# Altium PCB EVK-IRIS-W1.PcbDoc (part 1 of 9) (continued)
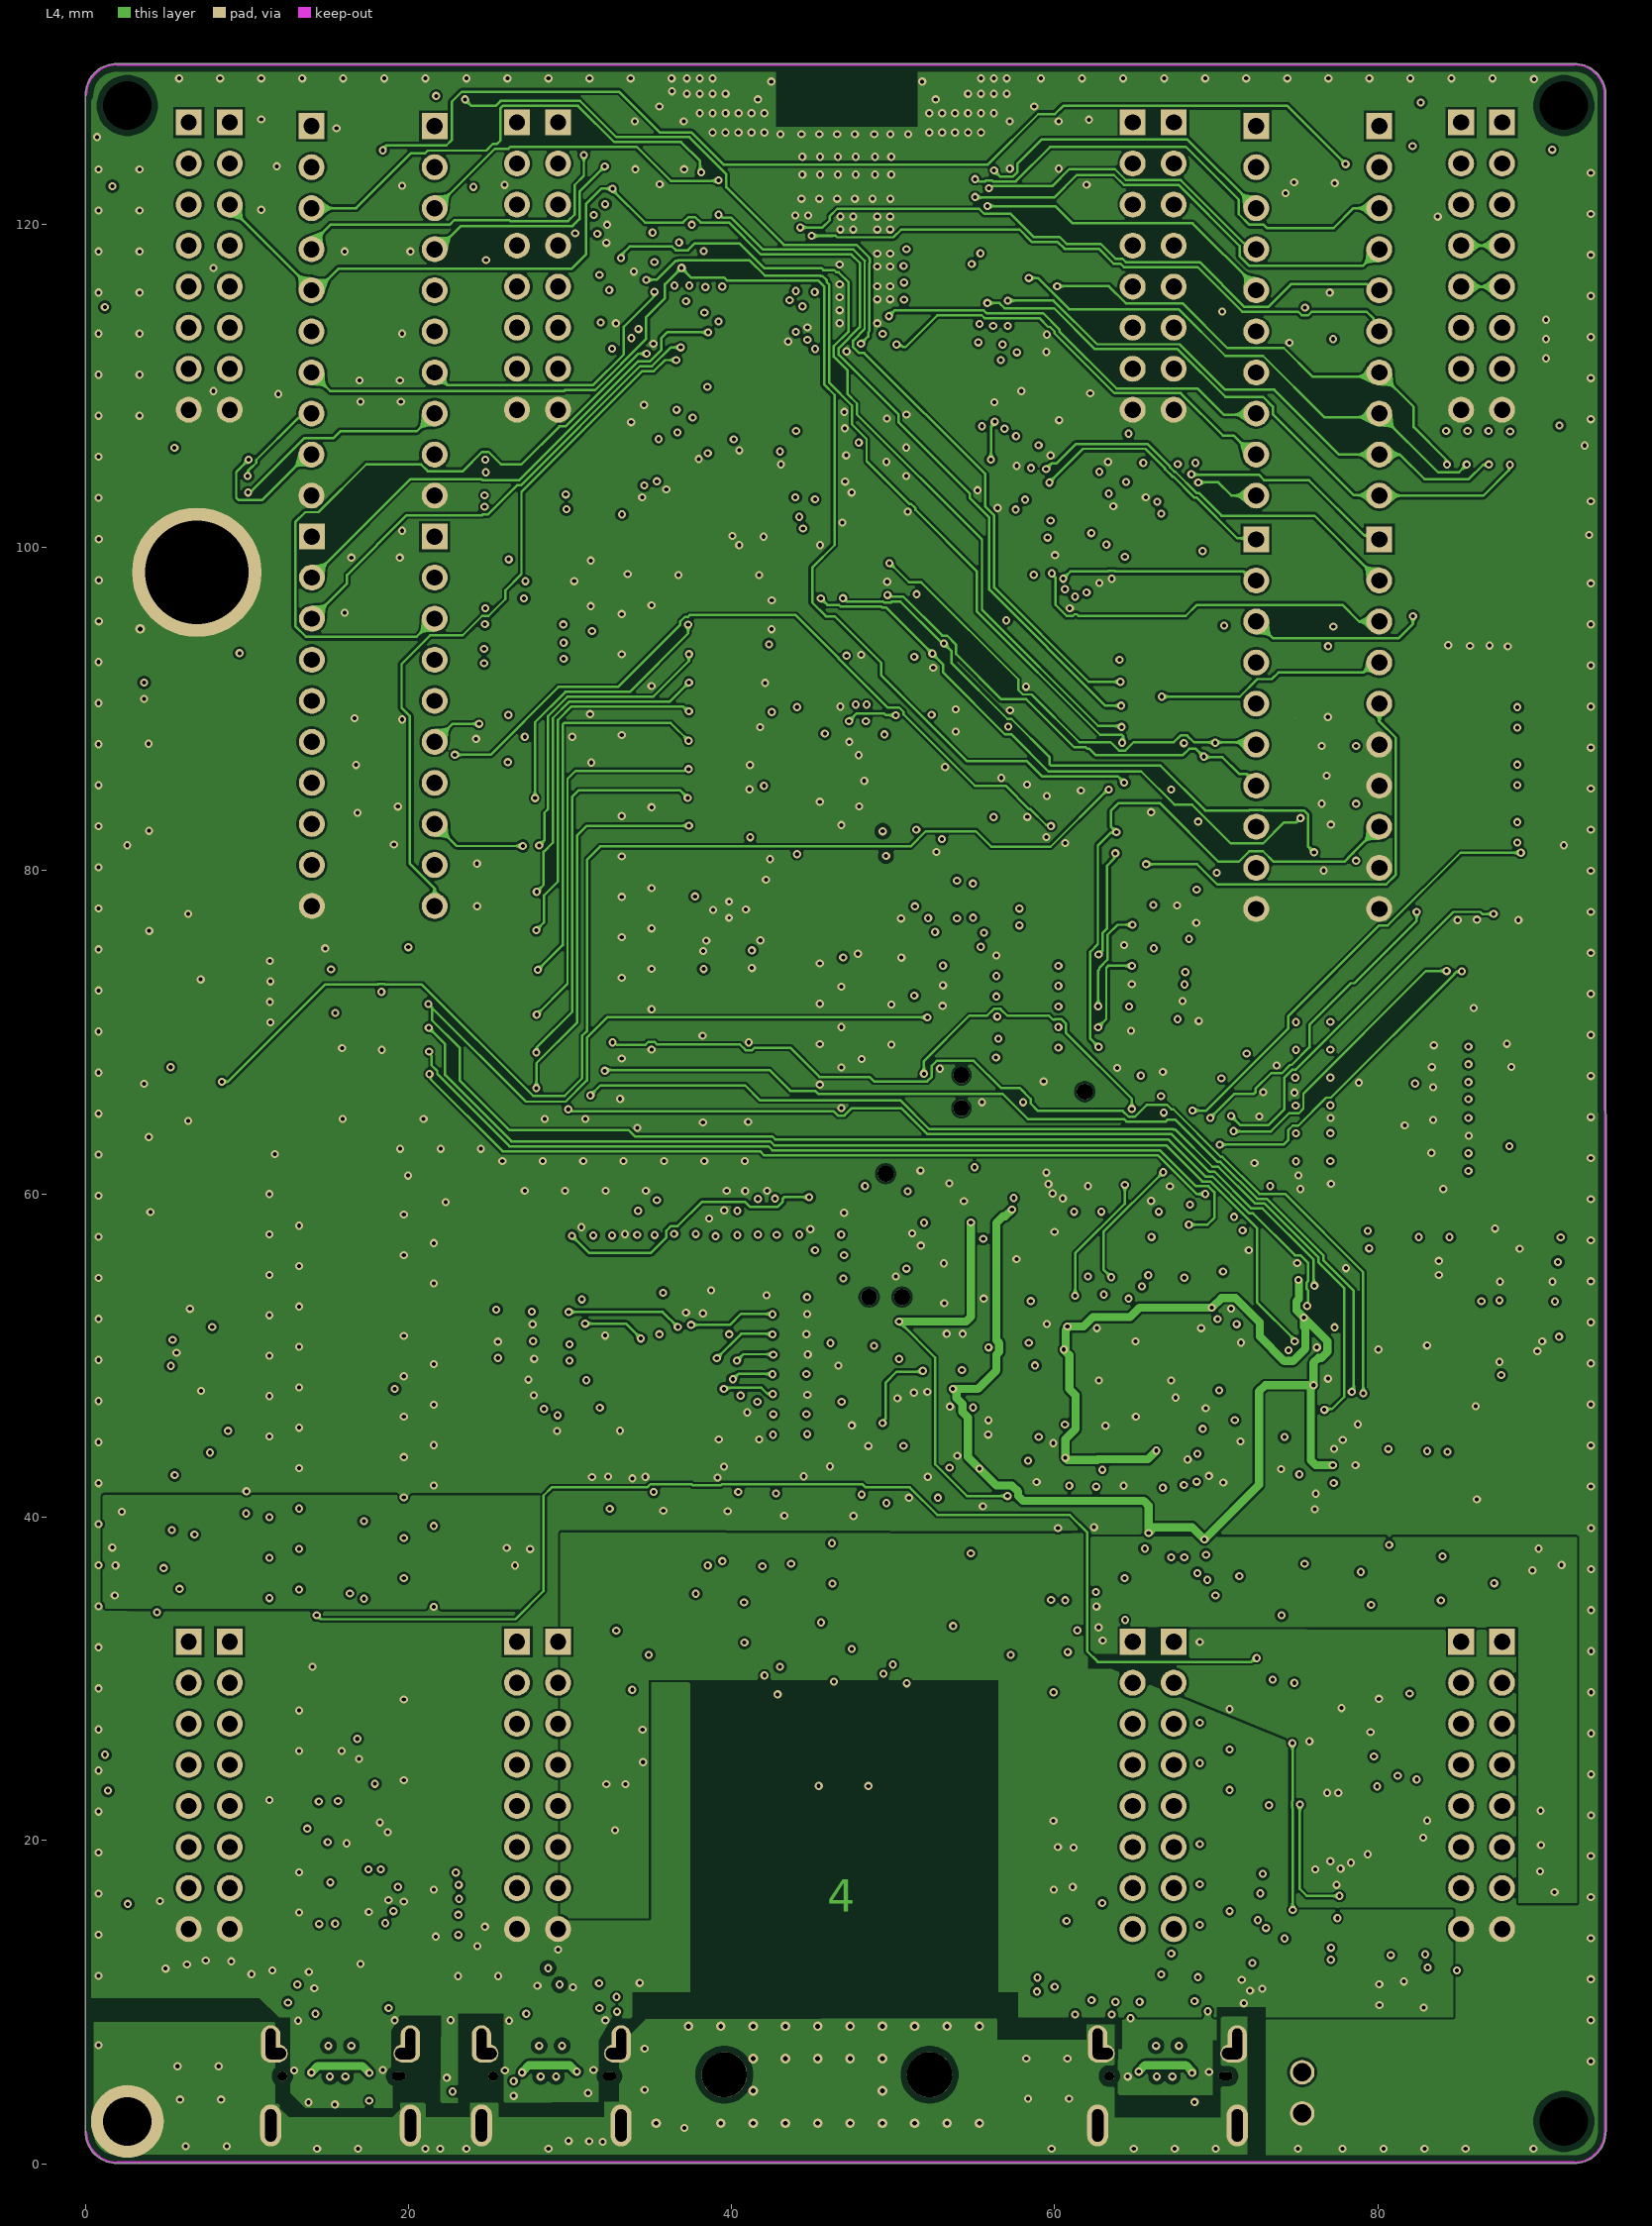
[diagram p4: L4]
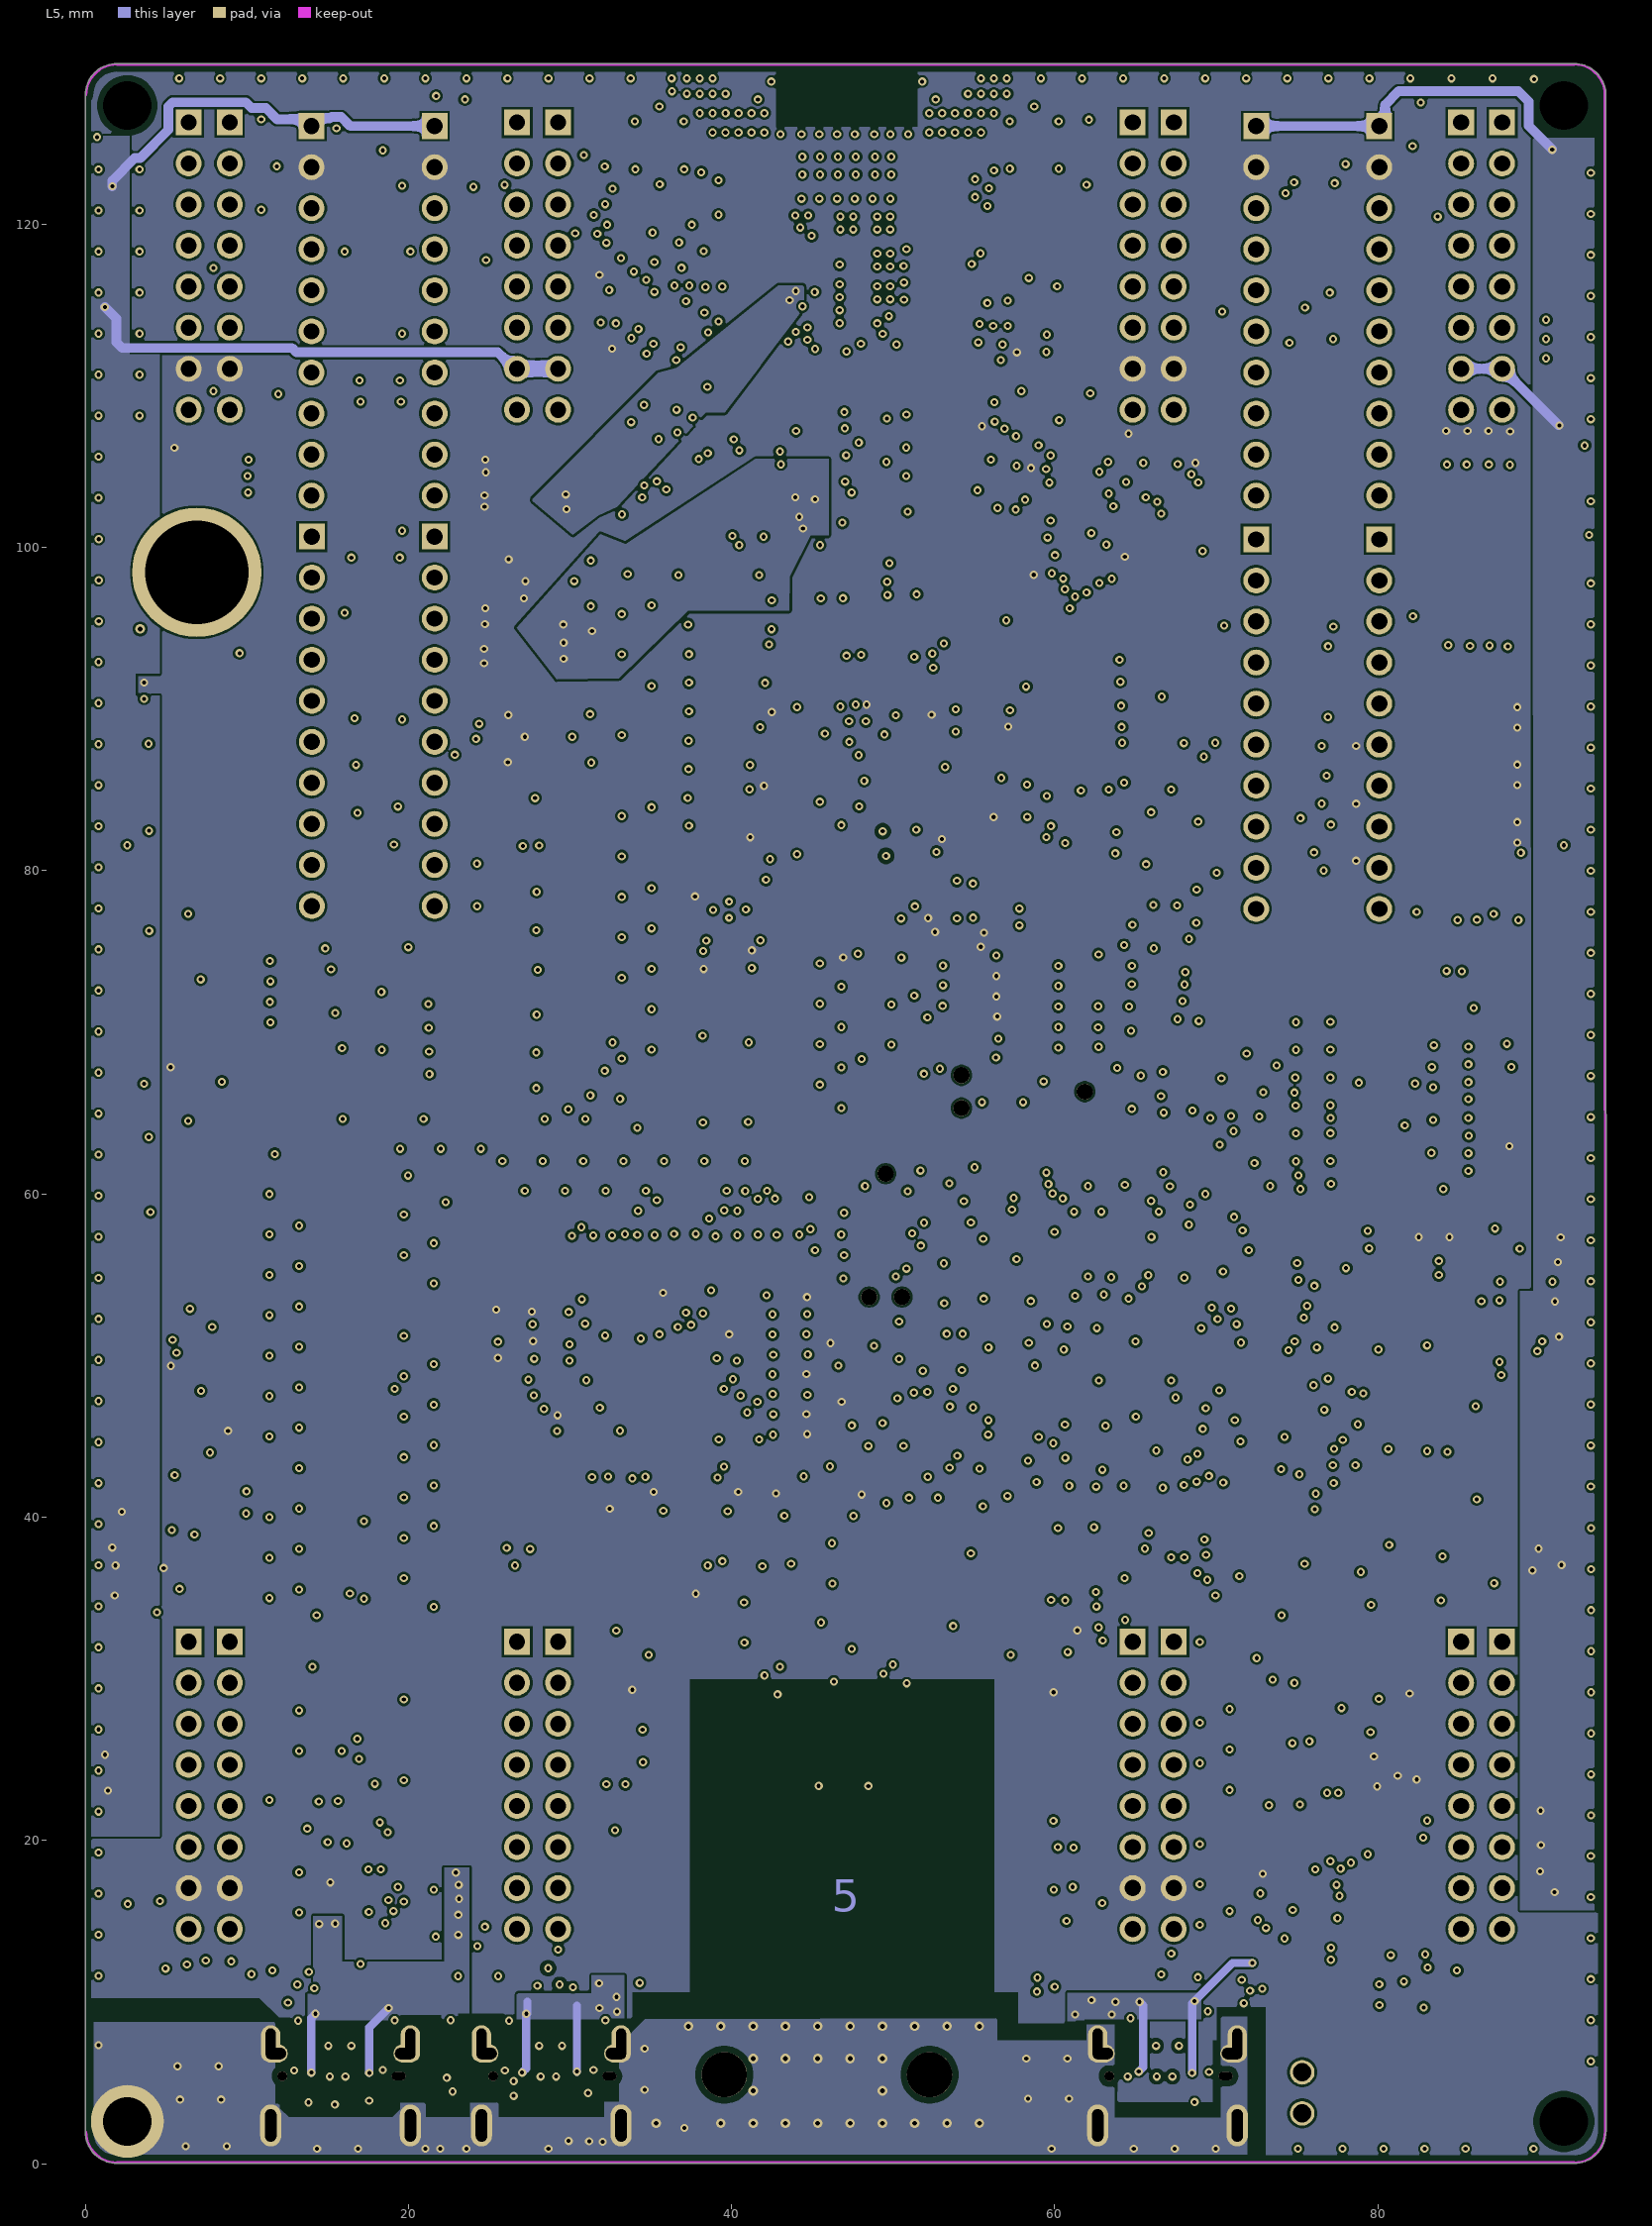
[diagram p5: L5]

## Layer stack, top to bottom
Top Solder: solder mask 0.01, Solder Resist, Dk 3.5
L1: signal copper 0.035
Dielectric 1: prepreg 0.2184, PP-023, Dk 4.5
L2: signal copper 0.035
Dielectric 2: core 0.36, Core-034, Dk 4.6
L3: signal copper 0.035
Core: prepreg 0.1803, PP-021, Dk 4.7
L4: signal copper 0.035
Dielectric 4: core 0.36, Core-034, Dk 4.6
L5: signal copper 0.035
Dielectric 3: prepreg 0.2184, PP-023, Dk 4.5
L6: signal copper 0.035
Bottom Solder: solder mask 0.01, Solder Resist, Dk 3.5

## Board outline
0.04,1.598 0.009,1.825 cw(c1.972,1.974) 0.003,1.974 0.009,2.001 0.003,127.964 cw(c1.972,127.964) 1.972,129.933 1.973,129.933 92.142,129.933 cw(c92.142,127.964) 94.074,128.343 94.108,128.286 94.108,128.066 94.109,127.946 94.114,1.974 94.111,1.955 cw(c92.142,1.974) 92.142,0.006 60.657,0.006 60.656,0.006 1.972,0.006 cw(c1.972,1.974)

## Design rules (kind name [scope] priority, off if disabled: settings)
BoardOutlineClearance [All] p1: gap=0.356 ignorepadtopadclearanceinfootprint=FALSE
Clearance [(InDifferentialPairClass('All Differential Pairs')) vs IsRegion] p1: gap=0.25 ignorepadtopadclearanceinfootprint=FALSE
Clearance Clearance_1 [InPolygon vs (InDifferentialPairClass('All Differential Pairs'))] p2: gap=0.3 ignorepadtopadclearanceinfootprint=FALSE
Clearance Clearance_Poly [InPolygon vs (OnLayer('Keep-Out Layer')) OR (OnLayer('Multi-Layer') AND IsPad  AND Not(PadIsPlated))] p3: gap=0.15 ignorepadtopadclearanceinfootprint=FALSE except(0: Arc-Text Arc-Hole Track-Text Track-Hole SMDPad-Text SMDPad-Hole THPad-Text THPad-Hole Via-Text Via-Hole Fill-Text Fill-Hole Poly-Text Poly-Hole Region-Text Region-Hole Text-Text Text-Hole; 0.375: Arc-Poly Arc-Region Track-Poly Track-Region SMDPad-Poly SMDPad-Region THPad-Poly THPad-Region Via-Poly Via-Region Fill-Poly Fill-Region Poly-Poly Poly-Region Region-Region)
Clearance "Clearance_ Diff Pair Exception" [InNetClass('PHY-Diff') vs InNetClass('PHY-Diff')] p4: gap=0.1 ignorepadtopadclearanceinfootprint=FALSE
Clearance Clearance_2 [InNetClass('All Nets')] p5: gap=0.15 ignorepadtopadclearanceinfootprint=FALSE except(0: Arc-Text Arc-Hole Track-Text Track-Hole SMDPad-Text SMDPad-Hole THPad-Text THPad-Hole Via-Text Via-Hole Fill-Text Fill-Hole Poly-Text Poly-Hole Region-Text Region-Hole Text-Text Text-Hole)
ComponentClearance [All] p1: gap=0.127 collisioncheckmode=3 verticalgap=0.254 showdistances=FALSE
DiffPairsRouting DiffPairsRouting-100 [InDifferentialPairClass('PHY-DIff')] p1: maxlimit=0.15 minlimit=0.127 mostfreqgap=0.127 toplayer_mingap=0.15 toplayer_prefgap=0.15 toplayer_minwidth=0.179 toplayer_maxwidth=0.179 toplayer_prefwidth=0.179 bottomlayer_mingap=0.15 bottomlayer_prefgap=0.15 bottomlayer_minwidth=0.179 bottomlayer_maxwidth=0.179 bottomlayer_prefwidth=0.179 impedanceprofiledriven=TRUE impedanceprofileid={367D0AF7-EADE-4F03-A343-DB83C17F35E9} impedanceprofilevalue=100.000000 maxuncoupledlength=12.7
DiffPairsRouting DiffPairsRouting-90 [InDifferentialPairClass('USB_DIFF')] p2: maxlimit=0.152 minlimit=0.127 mostfreqgap=0.127 toplayer_mingap=0.15 toplayer_maxgap=0.15 toplayer_prefgap=0.15 toplayer_minwidth=0.255 toplayer_maxwidth=0.255 toplayer_prefwidth=0.255 bottomlayer_mingap=0.15 bottomlayer_maxgap=0.15 bottomlayer_prefgap=0.15 bottomlayer_minwidth=0.255 bottomlayer_maxwidth=0.255 bottomlayer_prefwidth=0.255 impedanceprofiledriven=TRUE impedanceprofileid={DAE00D8D-1B73-4F86-ADBC-31F0C44CA26F} impedanceprofilevalue=90.000000 maxuncoupledlength=12.7
Height [All] p1: minheight=0 maxheight=25.4 prefheight=2.54
HoleSize [All] p1: absolutevalues=TRUE maxlimit=2540 minlimit=0.2 maxpercent=80.000 minpercent=20.000
HoleToHoleClearance [All] p1: gap=0.152 allowstackedmicrovias=TRUE
MatchedLengths MatchLengths_J100_Passives_J55,J56,J57,J58,J59,J60_1 [InxSignalClass('xSignals_J100_Passives_J55,J56,J57,J58,J59,J60_MatchLengthsClass_1')] p1: tolerance=2.54 checknetsindiffpair=FALSE checkdiffpairvsdiffpair=TRUE checkxsignals=TRUE checkothers=TRUE
MatchedLengths MatchLengths_xSignals_J100_Passives_2 [InxSignalClass('xSignals_J100_Passives_MatchLengthsClass_2')] p2: tolerance=2.54 checknetsindiffpair=FALSE checkdiffpairvsdiffpair=TRUE checkxsignals=TRUE checkothers=TRUE
MatchedLengths MatchLengths_xSignals_J100_J55,J56,J57,J58,J59,J60_1 [InxSignalClass('xSignals_J100_J55,J56,J57,J58,J59,J60_MatchLengthsClass_1')] p3: tolerance=2.54 checknetsindiffpair=FALSE checkdiffpairvsdiffpair=TRUE checkxsignals=TRUE checkothers=TRUE
MatchedLengths MatchLengths_J100_Passives_J55,J56,J57,J60 [InxSignalClass('xSignals_J100_Passives_J55,J56,J57,J60_MatchLengthsClass')] p4: tolerance=2.54 checknetsindiffpair=FALSE checkdiffpairvsdiffpair=TRUE checkxsignals=TRUE checkothers=TRUE
MatchedLengths MatchLengths_xSignals_J100_Passives_1 [InxSignalClass('xSignals_J100_Passives_MatchLengthsClass_1')] p5: tolerance=2.54 checknetsindiffpair=FALSE checkdiffpairvsdiffpair=TRUE checkxsignals=TRUE checkothers=TRUE
MatchedLengths MatchLengths_xSignals_J100_Passives [InxSignalClass('xSignals_J100_Passives_MatchLengthsClass')] p6: tolerance=2.54 checknetsindiffpair=FALSE checkdiffpairvsdiffpair=TRUE checkxsignals=TRUE checkothers=TRUE
MatchedLengths MatchLengths_xSignals_J100_J55,J56,J57,J58,J59,J60 [InxSignalClass('xSignals_J100_J55,J56,J57,J58,J59,J60_MatchLengthsClass')] p7: tolerance=2.54 checknetsindiffpair=FALSE checkdiffpairvsdiffpair=TRUE checkxsignals=TRUE checkothers=TRUE
MatchedLengths MatchLengths_xSignals_J45_J100 [InxSignalClass('xSignals_J45_J100_MatchLengthsClass')] p8 off: tolerance=2.54 checknetsindiffpair=FALSE checkdiffpairvsdiffpair=TRUE checkxsignals=TRUE checkothers=TRUE
MatchedLengths MatchLengths_J60_Passives_J45 [InxSignalClass('xSignals_J60_Passives_J45_MatchLengthsClass')] p9 off: tolerance=2.54 checknetsindiffpair=FALSE checkdiffpairvsdiffpair=TRUE checkxsignals=TRUE checkothers=TRUE
MatchedLengths MatchLengths_xSignals_J60_Passives [InxSignalClass('xSignals_J60_Passives_MatchLengthsClass')] p10 off: tolerance=2.54 checknetsindiffpair=FALSE checkdiffpairvsdiffpair=TRUE checkxsignals=TRUE checkothers=TRUE
MatchedLengths MatchLengths_xSignals_J60_J45 [InxSignalClass('xSignals_J60_J45_MatchLengthsClass')] p11 off: tolerance=2.54 checknetsindiffpair=FALSE checkdiffpairvsdiffpair=TRUE checkxsignals=TRUE checkothers=TRUE
MatchedLengths MatchLengths_J58_Passives_J45 [InxSignalClass('xSignals_J58_Passives_J45_MatchLengthsClass')] p12 off: tolerance=2.54 checknetsindiffpair=FALSE checkdiffpairvsdiffpair=TRUE checkxsignals=TRUE checkothers=TRUE
MatchedLengths MatchLengths_xSignals_J58_Passives [InxSignalClass('xSignals_J58_Passives_MatchLengthsClass')] p13 off: tolerance=2.54 checknetsindiffpair=FALSE checkdiffpairvsdiffpair=TRUE checkxsignals=TRUE checkothers=TRUE
MatchedLengths MatchLengths_xSignals_J58_J45 [InxSignalClass('xSignals_J58_J45_MatchLengthsClass')] p14 off: tolerance=2.54 checknetsindiffpair=FALSE checkdiffpairvsdiffpair=TRUE checkxsignals=TRUE checkothers=TRUE
MatchedLengths MatchLengths_J59_Passives_J45 [InxSignalClass('xSignals_J59_Passives_J45_MatchLengthsClass')] p15 off: tolerance=2.54 checknetsindiffpair=FALSE checkdiffpairvsdiffpair=TRUE checkxsignals=TRUE checkothers=TRUE
MatchedLengths MatchLengths_xSignals_J59_Passives [InxSignalClass('xSignals_J59_Passives_MatchLengthsClass')] p16 off: tolerance=2.54 checknetsindiffpair=FALSE checkdiffpairvsdiffpair=TRUE checkxsignals=TRUE checkothers=TRUE
MatchedLengths MatchLengths_J56_Passives_J45 [InxSignalClass('xSignals_J56_Passives_J45_MatchLengthsClass')] p17 off: tolerance=2.54 checknetsindiffpair=FALSE checkdiffpairvsdiffpair=TRUE checkxsignals=TRUE checkothers=TRUE
MatchedLengths MatchLengths_xSignals_J56_Passives [InxSignalClass('xSignals_J56_Passives_MatchLengthsClass')] p18 off: tolerance=2.54 checknetsindiffpair=FALSE checkdiffpairvsdiffpair=TRUE checkxsignals=TRUE checkothers=TRUE
MatchedLengths MatchLengths_xSignals_J56_J45 [InxSignalClass('xSignals_J56_J45_MatchLengthsClass')] p19 off: tolerance=2.54 checknetsindiffpair=FALSE checkdiffpairvsdiffpair=TRUE checkxsignals=TRUE checkothers=TRUE
MatchedLengths MatchLengths_J71_Passives_J56,J58,J59,J60 [InxSignalClass('xSignals_J71_Passives_J56,J58,J59,J60_MatchLengthsClass')] p20 off: tolerance=2.54 checknetsindiffpair=FALSE checkdiffpairvsdiffpair=TRUE checkxsignals=TRUE checkothers=TRUE
MatchedLengths MatchLengths_xSignals_J71_Passives_1 [InxSignalClass('xSignals_J71_Passives_MatchLengthsClass')] p21 off: tolerance=2.54 checknetsindiffpair=FALSE checkdiffpairvsdiffpair=TRUE checkxsignals=TRUE checkothers=TRUE
MatchedLengths MatchLengths_xSignals_J71_J56,J58,J59,J60 [InxSignalClass('xSignals_J71_J56,J58,J59,J60_MatchLengthsClass')] p22 off: tolerance=2.54 checknetsindiffpair=FALSE checkdiffpairvsdiffpair=TRUE checkxsignals=TRUE checkothers=TRUE
MatchedLengths MatchLengths_J71_Passives_J58,J59,J60,J65 [InxSignalClass('xSignals_J71_Passives_J58,J59,J60,J65_MatchLengthsClass')] p23 off: tolerance=2.54 checknetsindiffpair=FALSE checkdiffpairvsdiffpair=TRUE checkxsignals=TRUE checkothers=TRUE
MatchedLengths MatchLengths_xSignals_J71_Passives [InxSignalClass('xSignals_J71_Passives_MatchLengthsClass')] p24 off: tolerance=2.54 checknetsindiffpair=FALSE checkdiffpairvsdiffpair=TRUE checkxsignals=TRUE checkothers=TRUE
MatchedLengths MatchLengths_xSignals_J71_J58,J59,J60,J65 [InxSignalClass('xSignals_J71_J58,J59,J60,J65_MatchLengthsClass')] p25 off: tolerance=2.54 checknetsindiffpair=FALSE checkdiffpairvsdiffpair=TRUE checkxsignals=TRUE checkothers=TRUE
MatchedLengths [All] p26 off: tolerance=25.4 checknetsindiffpair=FALSE checkdiffpairvsdiffpair=TRUE checkxsignals=TRUE checkothers=TRUE
MatchedLengths MatchedLengths_SDIO [All] p27 off: tolerance=25.4 checknetsindiffpair=FALSE checkdiffpairvsdiffpair=TRUE checkxsignals=TRUE checkothers=TRUE
MinimumSolderMaskSliver [All] p1: minsoldermaskwidth=0.076
NetAntennae [NOT (HasFootprint('Solderbridge-Option') OR HasFootprint('Solderbridge-Short'))] p1: netantennaetolerance=0
PlaneClearance [InPoly] p1: clearance=0.203
PlaneConnect [All] p1 off: planeconnectstyle=Direct reliefexpansion=0.508 reliefentries=4 reliefconductorwidth=0.203 reliefairgap=0.152
PolygonConnect ThermalVias [IsVia] p1: connectstyle=Direct reliefconductorwidth=0.254 reliefentries=4 polygonreliefangle="90 Angle" airgapwidth=0.254
PolygonConnect "PolygonConnect - Power" [InNet('GND')] p2: connectstyle=Direct reliefconductorwidth=0.254 reliefentries=4 polygonreliefangle="90 Angle" airgapwidth=0.152
PolygonConnect PolygonConnect-BGA [InComponentClass('')] p3: connectstyle=Relief reliefconductorwidth=0.152 reliefentries=4 polygonreliefangle="45 Angle" airgapwidth=0.152
PolygonConnect PolygonConnect-General [All] p4: connectstyle=Direct reliefconductorwidth=0.152 reliefentries=4 polygonreliefangle="90 Angle" airgapwidth=0.152
RoutingVias [All] p1: holewidth=0.254 width=0.508 viastyle="Through Hole" minholewidth=0.2 minwidth=0.457 maxholewidth=0.305 maxwidth=0.61
SMDEntry [All] p1: side=TRUE corner=TRUE anyangle=TRUE
SilkToBoardRegionClearance [All] p1 off:
SilkToSilkClearance [All] p1 off: silktosilkclearance=0.025
SilkToSolderMaskClearance [IsPad] p1 off: minsilkscreentomaskgap=0 clearancetoexposedcopper=TRUE
SolderMaskExpansion SolderMaskExpansion_1 [InNet('GND') and IsPad] p1: expansion=0 istentingtop=FALSE
SolderMaskExpansion SolderMaskExpansion_via [IsVia] p2: expansion=-0.254 istentingtop=FALSE
SolderMaskExpansion [All] p3: expansion=0.05 istentingtop=FALSE
UnRoutedNet [All] p1: checkbadconnections=TRUE
Width "Width_50 ohm" [InNetClass('50_ohm_se')] p1: maxlimit=0.378 minlimit=0.05 preferedwidth=0.162 toplayer_minwidth=0.378 toplayer_prefwidth=0.378 bottomlayer_minwidth=0.378 bottomlayer_prefwidth=0.378 impedanceprofiledriven=TRUE impedanceprofileid={AE61133C-0F91-4E9F-BA6D-E5F668B24EEC} impedanceprofilevalue=50.000000 minimp=50.000000 maximp=50.000000 favimp=50.000000
Width [All] p2: maxlimit=5.08 minlimit=0.15 preferedwidth=0.15 toplayer_maxwidth=2.54 midlayer1_maxwidth=2.54 midlayer2_maxwidth=2.54 midlayer3_maxwidth=2.54 midlayer4_maxwidth=2.54 minimp=50.000000 maximp=50.000000 favimp=50.000000
17 further rules are at their usual default settings.

## Classes and differential pairs
component class "U_EVK-IRIS-W1-DEBUG INTERFACE": J20 J45 R2 R12 R13 R43 R44 R45 R47 R48 R49 R68 R104 R105 R112 R116 R117 R118 R119 R217 R219 R220 R221 R223 R224 R290 R291 R292 R293 R294 R296 TP2 TP3 TP4 TP5 TP6 TP7 TP8 TP9 TP10 TP11 TP12 TP13 TP14 TP15 TP16 TP18 TP19 TP20 TP21
differential pair class PHY-DIff: ENET_RX ENET_TX
component class U_EVK-IRIS-W1-MUCLINK: C43 C44 C45 C48 C49 C51 C53 C56 C57 C58 C59 C63 C64 C65 C66 C78 C79 C80 C81 C86 C87 C88 C89 C90 C91 C92 F7 F9 F10 J33 J39 L1 R174 R175 R176 R177 R178 R179 R180 R181 R182 R183 R184 R185 R186 R187 R188 R189 R190 R191 R192 R193 R194 R195 R196 TP25 TP26 TP27 TP28 TP29 TP30 U13 U21 X3
component class U_EVK-IRIS-W1-MCULINK-MUX: C104 C105 C106 C107 R134 R136 R142 R143 R251 R252 R253 R254 R255 R256 R257 R258 R259 R260 R261 R262 U16 U17 U18 U19
component class U_EVK-IRIS-W1-MCULINK_USB_DCDC: C93 C94 C95 C96 C97 C98 D16 D18 F11 J101 LED1 LED2 LED3 LED4 LED5 R144 R145 R151 R197 R198 R199 R200 R201 R202 R203 R204 R205 R206 R207 R208 R211 R227 R228 R229 R230 R231 R232 R233 R234 R235 R236 R237 R238 R239 R240 R241 R242 R243 R245 R246 R247 R248 R250 R274 R287 R288 TP17 TP31 TP32 U15 U20
net class USB_DIFF: FL_USB1_D_n FL_USB1_D_p ML_USB1_D_n ML_USB1_D_p MODUSB-D_n MODUSB-D_p MUSB-D_n MUSB-D_p RUSB-D_n RUSB-D_p USB-D_n USB-D_p
differential pair class USB_DIFF: FL_USB1_D ML_USB1_D MODUSB-D MUSB-D RUSB-D USB-D
net class PHY-Diff: ENET_RX_n ENET_RX_p ENET_TX_n ENET_TX_p
component class U_EVK-IRIS-W1_MOD: C67 C68 J14 J38 J40 J41 R50 R51 R210 R222 R270
component class U_EVK-IRIS-W1-SRAM_RESET_STRAPING: C8 C9 C24 C47 C75 C76 C77 D1 D4 D5 D6 D7 D8 D9 D10 D15 D19 D21 D22 R14 R15 R18 R20 R25 R26 R27 R29 R30 R31 R32 R33 R34 R36 R72 R73 R74 R75 R76 R77 R78 R79 R80 R81 R82 R93 R94 R99 R103 R125 R127 R128 R129 R212 R213 R214 R215 R216 R218 R289 RGB1 SW1 SW2 SW3 SW5 SW7 SW8 U2 U3 U4 U7
component class U_EVK-IRIS-W1-PowerSchDoc: C7 C16 C17 C18 C19 C22 C29 C46 C70 C82 C83 C84 C85 C102 C103 C108 C109 C110 C111 D2 D3 D11 D12 D13 D14 D20 D23 F1 F2 F8 J7 J42 J67 J72 J94 J95 J96 J97 J98 J115 J116 L2 L3 Q2 R35 R39 R40 R62 R69 R95 R96 R106 R107 R108 R109 R110 R113 R120 R121 R122 R123 R124 R126 R209 SW6 TP1 TP22 TP24 TP33 TP101 TP102 TP103 TP104 TP111 TP112 TP141 TP142 U6 U11 U12
component class U_EVK-IRIS-W1-PIN-HEADERS_SDIO-HEADER: C71 C72 C99 C100 C101 C112 C113 C114 FB3 FD1 FD2 FD3 FD4 FD5 FD6 J3 J4 J10 J43 J44 J47 J48 J70 J99 J100 R83 R97 R98 R100 R101 R102 U9
component class U_EVK-IRIS-W1-RMII: 1 C11 C12 C15 C23 C25 C26 C27 C39 C40 C42 C50 C52 C54 C55 C62 C69 D17 F6 R16 R17 R22 R23 R130 R131 R132 R133 R135 R137 R138 R139 R140 R141 R146 R147 R148 R149 R150 R152 R153 R154 R155 R156 R157 R158 R159 R160 R161 R162 R163 R164 R165 R166 R167 R168 R169 R170 R171 R172 R173 T1 TP23 U1 U5 U8
component class U_EVK-IRIS-W1-FTDI: C1 C3 C10 C13 C14 C20 C21 C28 C30 C31 C32 C33 C34 C35 C36 C37 C38 C41 C60 C61 F3 F4 F5 J117 R1 R3 R4 R5 R6 R7 R8 R9 R24 R28 R37 R38 R41 R42 R52 R53 R54 R55 R56 R57 R58 R59 R60 R61 R63 R64 R65 R66 R84 R85 R86 R87 R88 R89 R90 R91 R92 R114 U10 U108 U109 X2
component class U_EVK-IRIS-W1-FC2_FC3_FC14_RMII: C73 C74 J55 J56 J57 J58 J59 J60 R111 R115 R263 R264 R265 R266 R267 R268 R269 R271 R272 R273 R275 R276 R277 R278 R279 R280 R281 R282 R283 R284 R285 R286 X1
component class U_EVK-IRIS-W1-FC0_FC1_JTAG_UCX: J15 J34 J35 J36 J37
component class U_EVK-IRIS-W1_MikroBuses: C2 C4 C5 C6 J1 J2 J5 J6 J8 J9 J11 J12 J13 J16 J17 J18 J19 J21 J22 J23 J24 J25 J26 J27 J28 J29 J30 J31 J32 J61 J62 J73 J74 J75 J76 J77 J78 J79 J80 J81 J82 J83 J84 J85 J86 J87 J88 J89 J90 J91 J92 J93 R10 R11 R19 R21 R46 R67 R70 R71
net class 50_ohm_se: RF-1 RF-2
differential pair ML_USB1_D: +ML_USB1_D_p -ML_USB1_D_n
differential pair FL_USB1_D: +FL_USB1_D_p -FL_USB1_D_n
differential pair ENET_TX: +ENET_TX_p -ENET_TX_n
differential pair ENET_RX: +ENET_RX_p -ENET_RX_n
differential pair USB-D: +USB-D_p -USB-D_n
differential pair RUSB-D: +RUSB-D_p -RUSB-D_n
differential pair MUSB-D: +MUSB-D_p -MUSB-D_n
differential pair MODUSB-D: +MODUSB-D_p -MODUSB-D_n
